# Altium PCB STM32F207VC.PcbDoc (part 4 of 16) (continued)
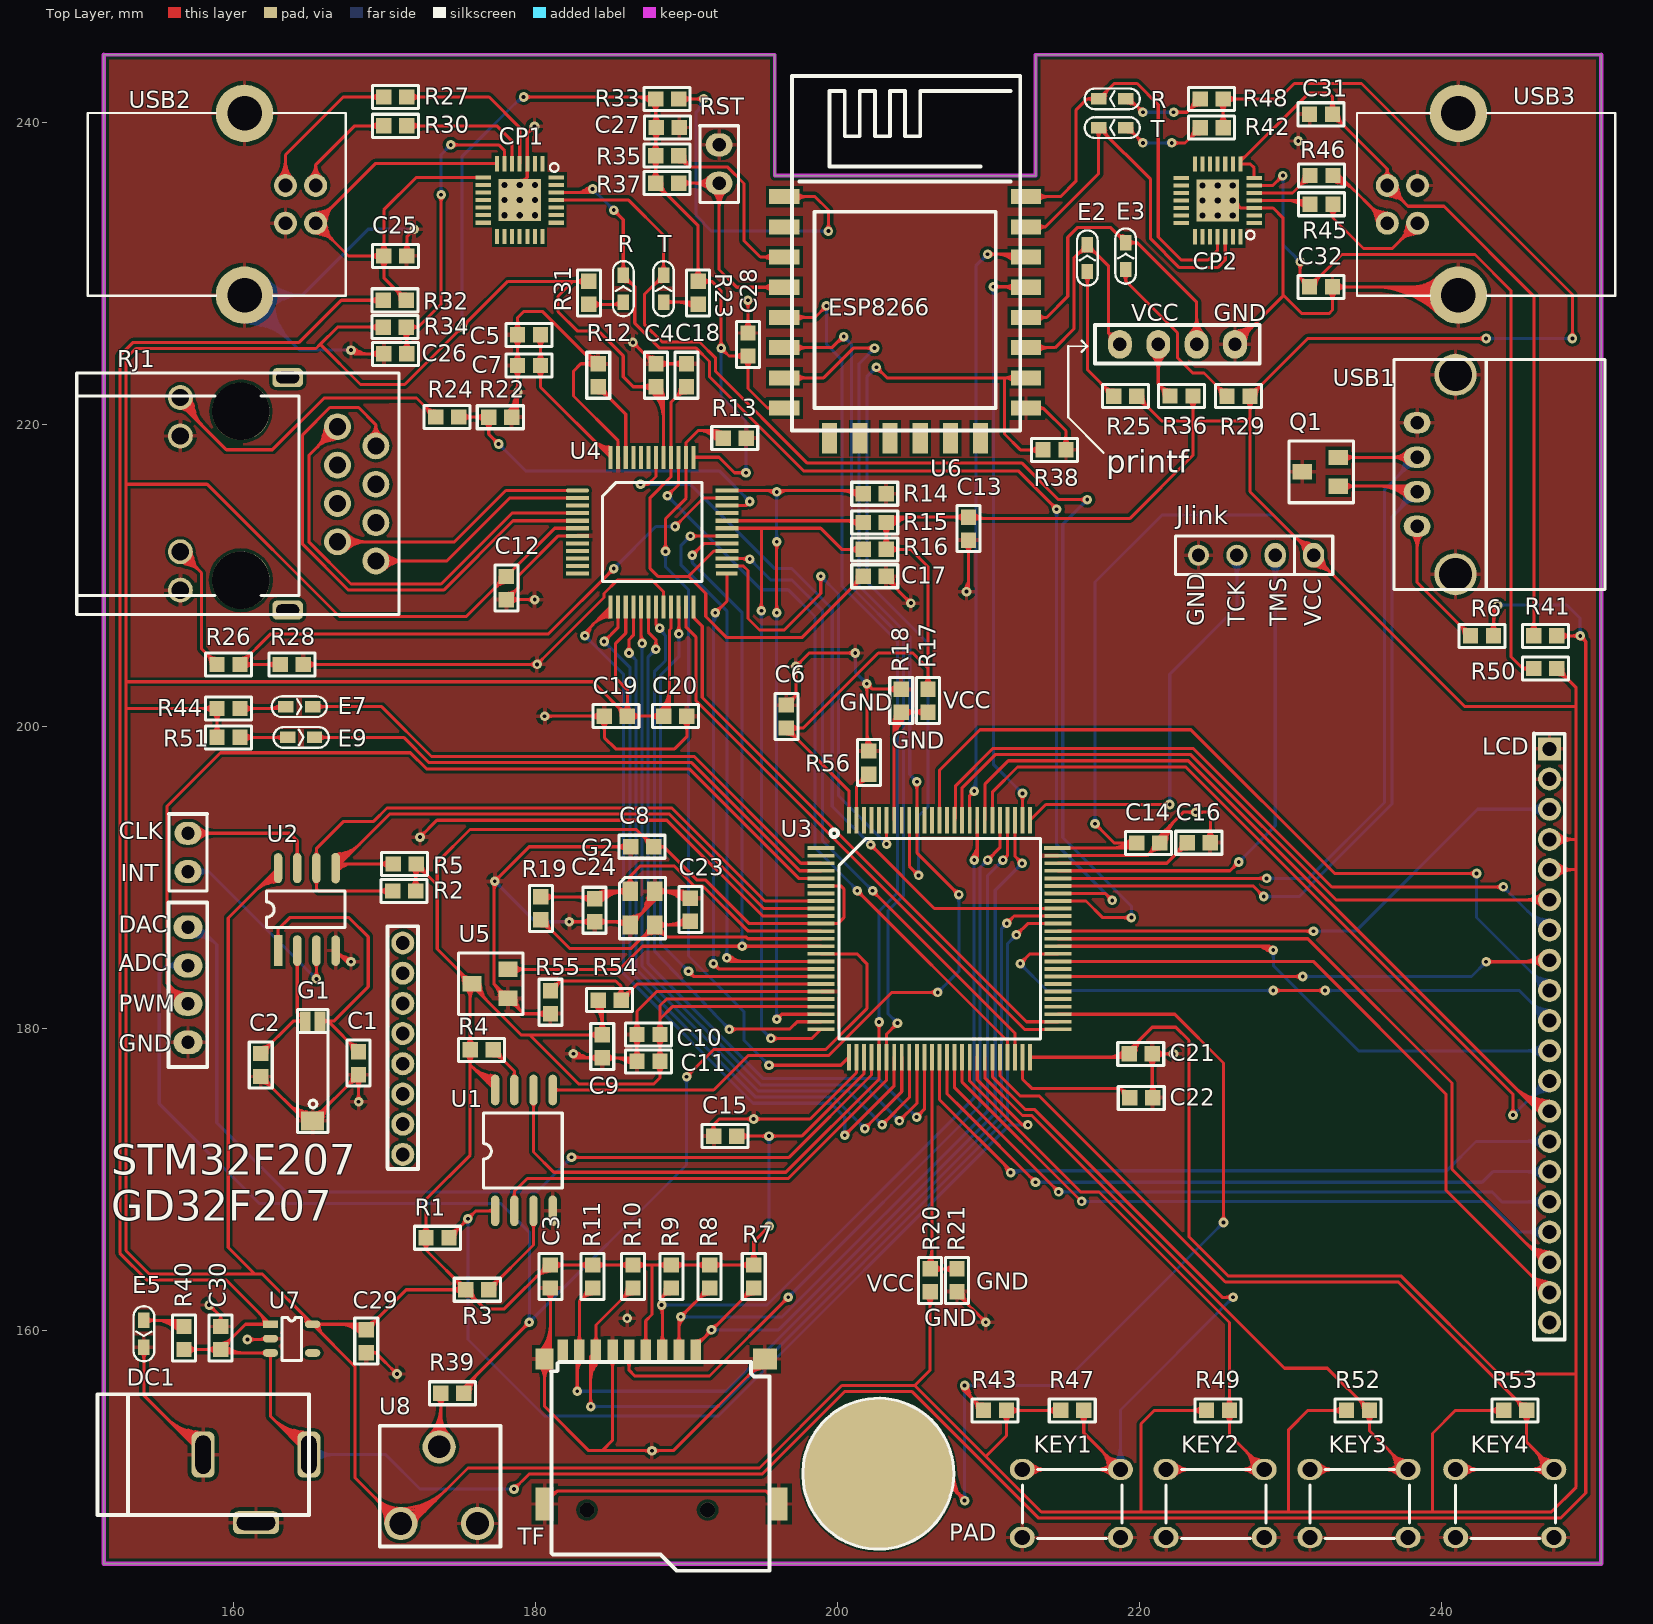
[diagram p0: Top Layer view]
## Nets (pads, with @x,y where several pads share a name; then routed paths per layer and width w, separated by ;. In a path a pad name is that pad's centre, name@x,y a point inside that pad or via, vN(x,y) a via of type N, cw(c..) or ccw(c..) an arc to the next point about the centre after c; other vN are vias at no path point) (continued)
v1@167.708,184.612 ; 167.484,184.669 cw(c167.304,184.489) v1@167.555,184.443 ; 167.484,184.669 ccw(c167.645,184.83) v1@167.708,184.612 ; 167.484,184.669 cw(c167.304,184.489) v1@167.555,184.443 ; 167.484,184.669 ccw(c167.645,184.83) v1@167.708,184.612 ; 167.484,184.669 cw(c167.304,184.489) v1@167.555,184.443 ; 167.575,176.235 cw(c168.269,175.541) C1.2@168.269,176.522 ; 167.575,176.235 ccw(c166.882,176.928) C1.2@167.863,176.928 ; 167.575,176.235 cw(c168.269,175.541) C1.2@168.269,176.522 ; 167.575,176.235 ccw(c166.882,176.928) C1.2@167.863,176.928 ; 167.575,176.235 ccw(c166.882,176.928) C1.2@167.863,176.928 ; 167.575,176.235 cw(c168.269,175.541) C1.2@168.269,176.522 ; 167.575,176.235 ccw(c166.882,176.928) C1.2@167.863,176.928 ; 167.575,176.235 cw(c168.269,175.541) C1.2@168.269,176.522 ; 167.725,176.416 cw(c168.412,176.233) C1.2@168.269,176.928 ; 167.725,176.416 cw(c168.412,176.233) C1.2@168.269,176.928 ; 167.725,176.416 cw(c168.412,176.233) C1.2@168.269,176.928 ; 167.725,176.416 cw(c168.412,176.233) C1.2@168.269,176.928 ; 167.725,176.416 cw(c168.412,176.233) C1.2@168.269,176.928 ; 167.725,176.416 cw(c168.412,176.233) C1.2@168.269,176.928 ; 167.757,176.385 ccw(c167.573,177.071) C1.2@168.269,176.928 ; 167.757,176.385 ccw(c167.573,177.071) C1.2@168.269,176.928 ; 167.757,176.385 ccw(c167.573,177.071) C1.2@168.269,176.928 ; 167.757,176.385 ccw(c167.573,177.071) C1.2@168.269,176.928 ; 167.757,176.385 ccw(c167.573,177.071) C1.2@168.269,176.928 ; 167.757,176.385 ccw(c167.573,177.071) C1.2@168.269,176.928 ; v1@167.775,224.907 cw(c167.986,224.625) 168.162,224.93 ; v1@167.775,224.907 cw(c167.986,224.625) 168.162,224.93 ; v1@167.775,224.907 cw(c167.986,224.625) 168.162,224.93 ; v1@167.775,224.907 cw(c167.986,224.625) 168.162,224.93 ; v1@167.775,224.907 cw(c167.986,224.625) 168.162,224.93 ; v1@167.775,224.907 cw(c167.986,224.625) 168.162,224.93 ; v1@167.776,224.926 ccw(c168.397,225.547) 168.397,224.669 ; v1@167.776,224.926 ccw(c168.397,225.547) 168.397,224.669 ; v1@167.776,224.926 ccw(c168.397,225.547) 168.397,224.669 ; v1@167.776,224.926 ccw(c168.397,225.547) 168.397,224.669 ; v1@167.835,224.712 cw(c167.89,224.544) 168.015,224.669 ; v1@167.835,224.712 cw(c167.89,224.544) 168.015,224.669 ; v1@167.835,224.712 cw(c167.89,224.544) 168.015,224.669 ; v1@167.835,224.712 cw(c167.89,224.544) 168.015,224.669 ; v1@167.854,224.719 cw(c167.992,224.405) 168.163,224.702 ; v1@167.854,224.719 cw(c167.992,224.405) 168.163,224.702 ; v1@167.854,224.719 cw(c167.992,224.405) 168.163,224.702 ; v1@167.854,224.719 cw(c167.992,224.405) 168.163,224.702 ; v1@167.854,224.719 cw(c167.992,224.405) 168.163,224.702 ; v1@167.854,224.719 cw(c167.992,224.405) 168.163,224.702 ; v1@167.896,224.744 cw(c168.187,224.356) 168.429,224.776 ; v1@167.896,224.744 cw(c168.187,224.356) 168.429,224.776 ; v1@167.896,224.744 cw(c168.187,224.356) 168.429,224.776 ; v1@167.896,224.744 cw(c168.187,224.356) 168.429,224.776 ; v1@167.896,224.744 cw(c168.187,224.356) 168.429,224.776 ; v1@167.896,224.744 cw(c168.187,224.356) 168.429,224.776 ; v1@167.92,225.07 ccw(c168.887,226.037) 168.887,224.669 ; v1@167.92,225.07 ccw(c168.887,226.037) 168.887,224.669 ; v1@167.92,225.07 ccw(c168.887,226.037) 168.887,224.669 ; v1@167.92,225.07 ccw(c168.887,226.037) 168.887,224.669 ; v1@167.972,224.849 ccw(c168.14,224.794) 168.015,224.669 ; v1@167.972,224.849 ccw(c168.14,224.794) 168.015,224.669 ; v1@167.972,224.849 ccw(c168.14,224.794) 168.015,224.669 ; v1@167.972,224.849 ccw(c168.14,224.794) 168.015,224.669 ; v1@167.979,224.959 ccw(c168.355,225.035) 168.163,224.702 ; v1@167.979,224.959 ccw(c168.355,225.035) 168.163,224.702 ; v1@167.979,224.959 ccw(c168.355,225.035) 168.163,224.702 ; v1@167.979,224.959 ccw(c168.355,225.035) 168.163,224.702 ; v1@167.979,224.959 ccw(c168.355,225.035) 168.163,224.702 ; v1@167.979,224.959 ccw(c168.355,225.035) 168.163,224.702 ; C1.2@167.982,176.641 cw(c167.288,175.947) 168.269,175.947 ; C1.2@167.982,176.641 cw(c167.288,175.947) 168.269,175.947 ; C1.2@167.982,176.641 cw(c167.288,175.947) 168.269,175.947 ; C1.2@167.982,176.641 cw(c167.288,175.947) 168.269,175.947 ; v1@168.122,175.286 ccw(c167.768,175.64) 168.269,175.64 ; v1@168.122,175.286 ccw(c167.768,175.64) 168.269,175.64 ; v1@168.122,175.286 ccw(c167.768,175.64) 168.269,175.64 ; v1@168.122,175.286 ccw(c167.768,175.64) 168.269,175.64 ; 168.269,175.669 ccw(c168.811,175.669) v1@168.428,175.286 ; 168.269,175.669 ccw(c168.811,175.669) v1@168.428,175.286 ; 168.269,175.669 ccw(c168.811,175.669) v1@168.428,175.286 ; 168.269,175.669 ccw(c168.811,175.669) v1@168.428,175.286 ; 168.269,175.947 cw(c169.25,175.947) C1.2@168.556,176.641 ; 168.269,175.947 cw(c169.25,175.947) C1.2@168.556,176.641 ; 168.269,175.947 cw(c169.25,175.947) C1.2@168.556,176.641 ; 168.269,175.947 cw(c169.25,175.947) C1.2@168.556,176.641 ; 168.962,224.669 cw(c168.962,223.688) C26.2@169.656,224.382 ; 168.962,224.669 ccw(c168.962,225.65) C26.2@169.656,224.956 ; 168.962,224.669 cw(c168.962,223.688) C26.2@169.656,224.382 ; 168.962,224.669 ccw(c168.962,225.65) C26.2@169.656,224.956 ; 168.962,224.669 ccw(c168.962,225.65) C26.2@169.656,224.956 ; 168.962,224.669 cw(c168.962,223.688) C26.2@169.656,224.382 ; 168.962,224.669 ccw(c168.962,225.65) C26.2@169.656,224.956 ; 168.962,224.669 cw(c168.962,223.688) C26.2@169.656,224.382 ; C29.2@169.149,158.349 cw(c169.401,158.238) 169.401,158.513 ; C29.2@169.149,158.349 cw(c169.401,158.238) 169.401,158.513 ; C29.2@169.149,158.349 cw(c169.401,158.238) 169.401,158.513 ; C29.2@169.149,158.349 cw(c169.401,158.238) 169.401,158.513 ; C29.2@169.149,158.677 ccw(c169.401,158.789) 169.401,158.513 ; C29.2@169.149,158.677 ccw(c169.401,158.789) 169.401,158.513 ; C29.2@169.149,158.677 ccw(c169.401,158.789) 169.401,158.513 ; C29.2@169.149,158.677 ccw(c169.401,158.789) 169.401,158.513 ; 170.446,157.468 cw(c170.078,157.099) v1@170.599,157.099 ; 170.446,157.468 ccw(c170.815,157.836) v1@170.815,157.315 ; 170.446,157.468 cw(c170.078,157.099) v1@170.599,157.099 ; 170.446,157.468 ccw(c170.815,157.836) v1@170.815,157.315 ; 170.446,157.468 ccw(c170.815,157.836) v1@170.815,157.315 ; 170.446,157.468 cw(c170.078,157.099) v1@170.599,157.099 ; 170.446,157.468 ccw(c170.815,157.836) v1@170.815,157.315 ; 170.446,157.468 cw(c170.078,157.099) v1@170.599,157.099 ; 170.521,157.391 ccw(c170.895,157.491) v1@170.818,157.111 ; 170.521,157.391 ccw(c170.895,157.491) v1@170.818,157.111 ; 170.521,157.391 ccw(c170.895,157.491) v1@170.818,157.111 ; 170.521,157.391 ccw(c170.895,157.491) v1@170.818,157.111 ; 170.521,157.391 ccw(c170.895,157.491) v1@170.818,157.111 ; 170.521,157.391 ccw(c170.895,157.491) v1@170.818,157.111 ; 170.523,157.393 cw(c170.423,157.019) v1@170.803,157.096 ; 170.523,157.393 cw(c170.423,157.019) v1@170.803,157.096 ; 170.523,157.393 cw(c170.423,157.019) v1@170.803,157.096 ; 170.523,157.393 cw(c170.423,157.019) v1@170.803,157.096 ; 170.523,157.393 cw(c170.423,157.019) v1@170.803,157.096 ; 170.523,157.393 cw(c170.423,157.019) v1@170.803,157.096 ; C25.1@171.18,231.433 ccw(c170.486,232.127) 171.467,232.127 ; C25.1@171.18,231.433 ccw(c170.486,232.127) 171.467,232.127 ; C25.1@171.18,231.433 ccw(c170.486,232.127) 171.467,232.127 ; C25.1@171.18,231.433 ccw(c170.486,232.127) 171.467,232.127 ; 171.467,232.127 ccw(c172.449,232.127) C25.1@171.755,231.433 ; 171.467,232.127 ccw(c172.449,232.127) C25.1@171.755,231.433 ; 171.467,232.127 ccw(c172.449,232.127) C25.1@171.755,231.433 ; 171.467,232.127 ccw(c172.449,232.127) C25.1@171.755,231.433 ; 171.589,232.549 cw(c171.958,232.181) v1@171.958,232.702 ; 171.589,232.549 ccw(c171.221,232.918) v1@171.742,232.918 ; 171.589,232.549 cw(c171.958,232.181) v1@171.958,232.702 ; 171.589,232.549 ccw(c171.221,232.918) v1@171.742,232.918 ; 171.589,232.549 ccw(c171.221,232.918) v1@171.742,232.918 ; 171.589,232.549 cw(c171.958,232.181) v1@171.958,232.702 ; 171.589,232.549 ccw(c171.221,232.918) v1@171.742,232.918 ; 171.589,232.549 cw(c171.958,232.181) v1@171.958,232.702 ; 171.664,232.626 cw(c172.038,232.526) v1@171.961,232.906 ; 171.664,232.626 cw(c172.038,232.526) v1@171.961,232.906 ; 171.664,232.626 cw(c172.038,232.526) v1@171.961,232.906 ; 171.664,232.626 cw(c172.038,232.526) v1@171.961,232.906 ; 171.664,232.626 cw(c172.038,232.526) v1@171.961,232.906 ; 171.664,232.626 cw(c172.038,232.526) v1@171.961,232.906 ; 171.666,232.624 ccw(c171.566,232.998) v1@171.946,232.921 ; 171.666,232.624 ccw(c171.566,232.998) v1@171.946,232.921 ; 171.666,232.624 ccw(c171.566,232.998) v1@171.946,232.921 ; 171.666,232.624 ccw(c171.566,232.998) v1@171.946,232.921 ; 171.666,232.624 ccw(c171.566,232.998) v1@171.946,232.921 ; 171.666,232.624 ccw(c171.566,232.998) v1@171.946,232.921 ; v1@172.336,192.671 ccw(c172.259,193.051) 172.633,192.951 ; v1@172.336,192.671 ccw(c172.259,193.051) 172.633,192.951 ; v1@172.336,192.671 ccw(c172.259,193.051) 172.633,192.951 ; v1@172.336,192.671 ccw(c172.259,193.051) 172.633,192.951 ; v1@172.336,192.671 ccw(c172.259,193.051) 172.633,192.951 ; v1@172.336,192.671 ccw(c172.259,193.051) 172.633,192.951 ; v1@172.339,192.875 ccw(c172.339,193.396) 172.708,193.028 ; v1@172.339,192.875 ccw(c172.339,193.396) 172.708,193.028 ; v1@172.339,192.875 ccw(c172.339,193.396) 172.708,193.028 ; v1@172.339,192.875 ccw(c172.339,193.396) 172.708,193.028 ; v1@172.351,192.656 cw(c172.731,192.579) 172.631,192.953 ; v1@172.351,192.656 cw(c172.731,192.579) 172.631,192.953 ; v1@172.351,192.656 cw(c172.731,192.579) 172.631,192.953 ; v1@172.351,192.656 cw(c172.731,192.579) 172.631,192.953 ; v1@172.351,192.656 cw(c172.731,192.579) 172.631,192.953 ; v1@172.351,192.656 cw(c172.731,192.579) 172.631,192.953 ; v1@172.555,192.659 cw(c173.076,192.659) 172.708,193.028 ; v1@172.555,192.659 cw(c173.076,192.659) 172.708,193.028 ; v1@172.555,192.659 cw(c173.076,192.659) 172.708,193.028 ; v1@172.555,192.659 cw(c173.076,192.659) 172.708,193.028 ; v1@177.139,189.585 cw(c176.925,189.371) 177.228,189.371 ; v1@177.139,189.585 cw(c176.925,189.371) 177.228,189.371 ; v1@177.139,189.585 cw(c176.925,189.371) 177.228,189.371 ; v1@177.139,189.585 cw(c176.925,189.371) 177.228,189.371 ; 177.228,189.062 cw(c177.968,189.062) v1@177.445,189.585 ; 177.228,189.062 cw(c177.968,189.062) v1@177.445,189.585 ; 177.228,189.062 cw(c177.968,189.062) v1@177.445,189.585 ; 177.228,189.062 cw(c177.968,189.062) v1@177.445,189.585 ; 177.257,182.907 cw(c176.347,181.996) U5.1@177.634,181.996 ; 177.257,182.907 cw(c176.347,181.996) U5.1@177.634,181.996 ; 177.257,182.907 cw(c176.347,181.996) U5.1@177.634,181.996 ; 177.257,182.907 cw(c176.347,181.996) U5.1@177.634,181.996 ; v1@177.289,189.75 ccw(c177.212,190.13) 177.586,190.03 ; v1@177.289,189.75 ccw(c177.212,190.13) 177.586,190.03 ; v1@177.289,189.75 ccw(c177.212,190.13) 177.586,190.03 ; v1@177.289,189.75 ccw(c177.212,190.13) 177.586,190.03 ; v1@177.289,189.75 ccw(c177.212,190.13) 177.586,190.03 ; v1@177.289,189.75 ccw(c177.212,190.13) 177.586,190.03 ; v1@177.292,189.954 ccw(c177.292,190.475) 177.661,190.107 ; v1@177.292,189.954 ccw(c177.292,190.475) 177.661,190.107 ; v1@177.292,189.954 ccw(c177.292,190.475) 177.661,190.107 ; v1@177.292,189.954 ccw(c177.292,190.475) 177.661,190.107 ; v1@177.304,189.735 cw(c177.684,189.658) 177.584,190.032 ; v1@177.304,189.735 cw(c177.684,189.658) 177.584,190.032 ; v1@177.304,189.735 cw(c177.684,189.658) 177.584,190.032 ; v1@177.304,189.735 cw(c177.684,189.658) 177.584,190.032 ; v1@177.304,189.735 cw(c177.684,189.658) 177.584,190.032 ; v1@177.304,189.735 cw(c177.684,189.658) 177.584,190.032 ; 177.477,182.583 ccw(c178.292,182.802) U5.1@178.041,181.996 ; 177.477,182.583 ccw(c178.292,182.802) U5.1@178.041,181.996 ; 177.477,182.583 ccw(c178.292,182.802) U5.1@178.041,181.996 ; 177.477,182.583 ccw(c178.292,182.802) U5.1@178.041,181.996 ; 177.477,182.583 ccw(c178.292,182.802) U5.1@178.041,181.996 ; 177.477,182.583 ccw(c178.292,182.802) U5.1@178.041,181.996 ; v1@177.508,189.738 cw(c178.029,189.738) 177.661,190.107 ; v1@177.508,189.738 cw(c178.029,189.738) 177.661,190.107 ; v1@177.508,189.738 cw(c178.029,189.738) 177.661,190.107 ; v1@177.508,189.738 cw(c178.029,189.738) 177.661,190.107 ; 177.564,182.6 ccw(c178.041,183.077) U5.1@178.041,182.402 ; 177.564,182.6 ccw(c178.041,183.077) U5.1@178.041,182.402 ; 177.564,182.6 ccw(c178.041,183.077) U5.1@178.041,182.402 ; 177.564,182.6 ccw(c178.041,183.077) U5.1@178.041,182.402 ; U5.1@177.573,182.227 ccw(c178.162,182.385) U5.1@177.98,181.802 ; U5.1@177.573,182.227 ccw(c178.162,182.385) U5.1@177.98,181.802 ; U5.1@177.573,182.227 ccw(c178.162,182.385) U5.1@177.98,181.802 ; U5.1@177.573,182.227 ccw(c178.162,182.385) U5.1@177.98,181.802 ; U5.1@177.573,182.227 ccw(c178.162,182.385) U5.1@177.98,181.802 ; U5.1@177.573,182.227 ccw(c178.162,182.385) U5.1@177.98,181.802 ; 177.604,182.56 cw(c177.04,181.996) U5.1@177.838,181.996 ; 177.604,182.56 cw(c177.04,181.996) U5.1@177.838,181.996 ; 177.604,182.56 cw(c177.04,181.996) U5.1@177.838,181.996 ; 177.604,182.56 cw(c177.04,181.996) U5.1@177.838,181.996 ; C12.1@178.06,208.39 cw(c178.756,208.247) 178.572,208.933 ; C12.1@178.06,208.39 ccw(c177.917,209.085) 178.604,208.902 ; C12.1@178.06,208.39 ccw(c177.917,209.085) 178.604,208.902 ; C12.1@178.06,208.39 cw(c178.756,208.247) 178.572,208.933 ; C12.1@178.06,208.39 ccw(c177.917,209.085) 178.604,208.902 ; C12.1@178.06,208.39 cw(c178.756,208.247) 178.572,208.933 ; C12.1@178.06,208.39 cw(c178.756,208.247) 178.572,208.933 ; C12.1@178.06,208.39 ccw(c177.917,209.085) 178.604,208.902 ; C12.1@178.06,208.39 cw(c178.756,208.247) 178.572,208.933 ; C12.1@178.06,208.39 ccw(c177.917,209.085) 178.604,208.902 ; C12.1@178.06,208.39 ccw(c177.917,209.085) 178.604,208.902 ; C12.1@178.06,208.39 cw(c178.756,208.247) 178.572,208.933 ; C12.1@178.06,208.796 ccw(c178.06,209.777) 178.754,209.083 ; C12.1@178.06,208.796 ccw(c178.06,209.777) 178.754,209.083 ; C12.1@178.06,208.796 ccw(c178.06,209.777) 178.754,209.083 ; C12.1@178.06,208.796 ccw(c178.06,209.777) 178.754,209.083 ; R22.2@178.13,220.753 ccw(c176.517,222.367) v1@178.799,222.367 ; R22.2@178.13,220.753 ccw(c176.517,222.367) v1@178.799,222.367 ; R22.2@178.13,220.753 ccw(c176.517,222.367) v1@178.799,222.367 ; R22.2@178.13,220.753 ccw(c176.517,222.367) v1@178.799,222.367 ; R22.2@178.274,220.61 ccw(c177.007,221.876) v1@178.799,221.876 ; R22.2@178.274,220.61 ccw(c177.007,221.876) v1@178.799,221.876 ; R22.2@178.274,220.61 ccw(c177.007,221.876) v1@178.799,221.876 ; R22.2@178.274,220.61 ccw(c177.007,221.876) v1@178.799,221.876 ; U5.1@178.295,181.59 cw(c178.295,180.915) 178.772,181.392 ; U5.1@178.295,181.59 cw(c178.295,180.915) 178.772,181.392 ; U5.1@178.295,181.59 cw(c178.295,180.915) 178.772,181.392 ; U5.1@178.295,181.59 cw(c178.295,180.915) 178.772,181.392 ; U5.1@178.295,181.996 cw(c178.043,181.19) 178.859,181.409 ; U5.1@178.295,181.996 cw(c178.043,181.19) 178.859,181.409 ; U5.1@178.295,181.996 cw(c178.043,181.19) 178.859,181.409 ; U5.1@178.295,181.996 cw(c178.043,181.19) 178.859,181.409 ; U5.1@178.295,181.996 cw(c178.043,181.19) 178.859,181.409 ; U5.1@178.295,181.996 cw(c178.043,181.19) 178.859,181.409 ; 178.309,221.023 ccw(c178.646,220.799) R22.2@178.418,220.466 ; 178.309,221.023 ccw(c178.646,220.799) R22.2@178.418,220.466 ; 178.309,221.023 ccw(c178.646,220.799) R22.2@178.418,220.466 ; 178.309,221.023 ccw(c178.646,220.799) R22.2@178.418,220.466 ; 178.309,221.023 ccw(c178.646,220.799) R22.2@178.418,220.466 ; 178.309,221.023 ccw(c178.646,220.799) R22.2@178.418,220.466 ; R22.2@178.312,220.859 ccw(c178.232,221.159) 178.501,221.004 ; R22.2@178.312,220.859 ccw(c178.232,221.159) 178.501,221.004 ; R22.2@178.312,220.859 ccw(c178.232,221.159) 178.501,221.004 ; R22.2@178.312,220.859 ccw(c178.232,221.159) 178.501,221.004 ; R22.2@178.312,220.859 ccw(c178.232,221.159) 178.501,221.004 ; R22.2@178.312,220.859 ccw(c178.232,221.159) 178.501,221.004 ; C12.1@178.347,208.102 cw(c179.041,207.408) 179.041,208.39 ; C12.1@178.347,208.102 cw(c179.041,207.408) 179.041,208.39 ; C12.1@178.347,208.102 cw(c179.041,207.408) 179.041,208.39 ; C12.1@178.347,208.102 cw(c179.041,207.408) 179.041,208.39 ; C12.1@178.347,208.677 ccw(c179.041,209.371) 179.041,208.39 ; C12.1@178.347,208.677 ccw(c179.041,209.371) 179.041,208.39 ; C12.1@178.347,208.677 ccw(c179.041,209.371) 179.041,208.39 ; C12.1@178.347,208.677 ccw(c179.041,209.371) 179.041,208.39 ; U5.1@178.355,182.19 cw(c178.173,181.607) U5.1@178.763,181.765 ; U5.1@178.355,182.19 cw(c178.173,181.607) U5.1@178.763,181.765 ; U5.1@178.355,182.19 cw(c178.173,181.607) U5.1@178.763,181.765 ; U5.1@178.355,182.19 cw(c178.173,181.607) U5.1@178.763,181.765 ; U5.1@178.355,182.19 cw(c178.173,181.607) U5.1@178.763,181.765 ; U5.1@178.355,182.19 cw(c178.173,181.607) U5.1@178.763,181.765 ; R22.2@178.418,220.466 ccw(c177.498,221.386) 178.799,221.386 ; R22.2@178.418,220.466 ccw(c177.498,221.386) 178.799,221.386 ; R22.2@178.418,220.466 ccw(c177.498,221.386) 178.799,221.386 ; R22.2@178.418,220.466 ccw(c177.498,221.386) 178.799,221.386 ; 178.423,221.195 ccw(c178.762,220.97) R22.2@178.532,220.634 ; 178.423,221.195 ccw(c178.762,220.97) R22.2@178.532,220.634 ; 178.423,221.195 ccw(c178.762,220.97) R22.2@178.532,220.634 ; 178.423,221.195 ccw(c178.762,220.97) R22.2@178.532,220.634 ; 178.423,221.195 ccw(c178.762,220.97) R22.2@178.532,220.634 ; 178.423,221.195 ccw(c178.762,220.97) R22.2@178.532,220.634 ; R22.2@178.433,220.872 ccw(c178.447,221.226) 178.754,221.049 ; R22.2@178.433,220.872 ccw(c178.447,221.226) 178.754,221.049 ; R22.2@178.433,220.872 ccw(c178.447,221.226) 178.754,221.049 ; R22.2@178.433,220.872 ccw(c178.447,221.226) 178.754,221.049 ; R22.2@178.433,220.872 ccw(c178.447,221.226) 178.754,221.049 ; R22.2@178.433,220.872 ccw(c178.447,221.226) 178.754,221.049 ; C12.1@178.466,208.39 cw(c179.447,208.39) 178.754,209.083 ; C12.1@178.466,208.39 cw(c179.447,208.39) 178.754,209.083 ; C12.1@178.466,208.39 cw(c179.447,208.39) 178.754,209.083 ; C12.1@178.466,208.39 cw(c179.447,208.39) 178.754,209.083 ; U5.1@178.498,181.996 ccw(c179.295,181.996) 178.731,181.432 ; U5.1@178.498,181.996 ccw(c179.295,181.996) 178.731,181.432 ; U5.1@178.498,181.996 ccw(c179.295,181.996) 178.731,181.432 ; U5.1@178.498,181.996 ccw(c179.295,181.996) 178.731,181.432 ; C7.1@178.511,223.608 cw(c177.817,222.914) 178.799,222.914 ; C7.1@178.511,223.608 cw(c177.817,222.914) 178.799,222.914 ; C7.1@178.511,223.608 cw(c177.817,222.914) 178.799,222.914 ; C7.1@178.511,223.608 cw(c177.817,222.914) 178.799,222.914 ; C7.1@178.511,224.182 ccw(c177.817,224.876) 178.799,224.876 ; C7.1@178.511,224.182 ccw(c177.817,224.876) 178.799,224.876 ; C7.1@178.511,224.182 ccw(c177.817,224.876) 178.799,224.876 ; C7.1@178.511,224.182 ccw(c177.817,224.876) 178.799,224.876 ; C5.1@178.511,225.64 cw(c177.817,224.946) 178.799,224.946 ; C5.1@178.511,225.64 cw(c177.817,224.946) 178.799,224.946 ; C5.1@178.511,225.64 cw(c177.817,224.946) 178.799,224.946 ; C5.1@178.511,225.64 cw(c177.817,224.946) 178.799,224.946 ; C5.1@178.511,226.214 ccw(c177.817,226.908) 178.799,226.908 ; C5.1@178.511,226.214 ccw(c177.817,226.908) 178.799,226.908 ; C5.1@178.511,226.214 ccw(c177.817,226.908) 178.799,226.908 ; C5.1@178.511,226.214 ccw(c177.817,226.908) 178.799,226.908 ; 178.535,221.062 ccw(c178.889,220.857) R22.2@178.574,220.596 ; 178.535,221.062 ccw(c178.889,220.857) R22.2@178.574,220.596 ; 178.535,221.062 ccw(c178.889,220.857) R22.2@178.574,220.596 ; 178.535,221.062 ccw(c178.889,220.857) R22.2@178.574,220.596 ; 178.535,221.062 ccw(c178.889,220.857) R22.2@178.574,220.596 ; 178.535,221.062 ccw(c178.889,220.857) R22.2@178.574,220.596 ; 178.537,221.366 ccw(c178.878,221.14) R22.2@178.647,220.801 ; 178.537,221.366 ccw(c178.878,221.14) R22.2@178.647,220.801 ; 178.537,221.366 ccw(c178.878,221.14) R22.2@178.647,220.801 ; 178.537,221.366 ccw(c178.878,221.14) R22.2@178.647,220.801 ; 178.537,221.366 ccw(c178.878,221.14) R22.2@178.647,220.801 ; 178.537,221.366 ccw(c178.878,221.14) R22.2@178.647,220.801 ; R22.2@178.561,220.322 ccw(c177.988,220.895) R22.2@178.799,220.895 ; R22.2@178.561,220.322 ccw(c177.988,220.895) R22.2@178.799,220.895 ; R22.2@178.561,220.322 ccw(c177.988,220.895) R22.2@178.799,220.895 ; R22.2@178.561,220.322 ccw(c177.988,220.895) R22.2@178.799,220.895 ; 178.565,221.489 cw(c179.276,221.299) v1@178.907,221.936 ; 178.565,221.489 cw(c179.276,221.299) v1@178.907,221.936 ; 178.565,221.489 cw(c179.276,221.299) v1@178.907,221.936 ; 178.565,221.489 cw(c179.276,221.299) v1@178.907,221.936 ; 178.565,221.489 cw(c179.276,221.299) v1@178.907,221.936 ; 178.565,221.489 cw(c179.276,221.299) v1@178.907,221.936 ; 178.565,221.489 cw(c179.276,221.299) v1@178.907,221.936 ; 178.565,221.489 cw(c179.276,221.299) v1@178.907,221.936 ; 178.565,221.489 cw(c179.276,221.299) v1@178.907,221.936 ; 178.565,221.489 cw(c179.276,221.299) v1@178.907,221.936 ; v1@178.612,222.015 cw(c178.346,221.861) 178.643,221.782 ; v1@178.612,222.015 cw(c178.346,221.861) 178.643,221.782 ; v1@178.612,222.015 cw(c178.346,221.861) 178.643,221.782 ; v1@178.612,222.015 cw(c178.346,221.861) 178.643,221.782 ; v1@178.612,222.015 cw(c178.346,221.861) 178.643,221.782 ; v1@178.612,222.015 cw(c178.346,221.861) 178.643,221.782 ; v1@178.612,222.015 cw(c178.346,221.861) 178.643,221.782 ; v1@178.612,222.015 cw(c178.346,221.861) 178.643,221.782 ; v1@178.612,222.015 cw(c178.346,221.861) 178.643,221.782 ; v1@178.612,222.015 cw(c178.346,221.861) 178.643,221.782 ; v1@178.62,222.002 cw(c178.055,221.621) 178.724,221.491 ; v1@178.62,222.002 cw(c178.055,221.621) 178.724,221.491 ; v1@178.62,222.002 cw(c178.055,221.621) 178.724,221.491 ; v1@178.62,222.002 cw(c178.055,221.621) 178.724,221.491 ; v1@178.62,222.002 cw(c178.055,221.621) 178.724,221.491 ; v1@178.62,222.002 cw(c178.055,221.621) 178.724,221.491 ; v1@178.62,222.002 cw(c178.055,221.621) 178.724,221.491 ; v1@178.62,222.002 cw(c178.055,221.621) 178.724,221.491 ; v1@178.62,222.002 cw(c178.055,221.621) 178.724,221.491 ; v1@178.62,222.002 cw(c178.055,221.621) 178.724,221.491 ; 178.638,221.667 ccw(c178.482,221.823) v1@178.642,221.974 ; 178.638,221.667 ccw(c178.482,221.823) v1@178.642,221.974 ; 178.638,221.667 ccw(c178.482,221.823) v1@178.642,221.974 ; 178.638,221.667 ccw(c178.482,221.823) v1@178.642,221.974 ; 178.638,221.667 ccw(c178.482,221.823) v1@178.642,221.974 ; 178.638,221.667 ccw(c178.482,221.823) v1@178.642,221.974 ; 178.638,221.667 ccw(c178.482,221.823) v1@178.642,221.974 ; 178.638,221.667 ccw(c178.482,221.823) v1@178.642,221.974 ; 178.638,221.667 ccw(c178.482,221.823) v1@178.642,221.974 ; 178.638,221.667 ccw(c178.482,221.823) v1@178.642,221.974 ; v1@178.646,221.97 cw(c178.277,221.602) 178.799,221.602 ; v1@178.646,221.97 cw(c178.277,221.602) 178.799,221.602 ; v1@178.646,221.97 cw(c178.277,221.602) 178.799,221.602 ; v1@178.646,221.97 cw(c178.277,221.602) 178.799,221.602 ; v1@178.646,222.276 ccw(c178.277,222.644) 178.799,222.644 ; v1@178.646,222.276 ccw(c178.277,222.644) 178.799,222.644 ; v1@178.646,222.276 ccw(c178.277,222.644) 178.799,222.644 ; v1@178.646,222.276 ccw(c178.277,222.644) 178.799,222.644 ; 178.681,221.315 ccw(c179.129,221.056) R22.2@178.731,220.725 ; 178.681,221.315 ccw(c179.129,221.056) R22.2@178.731,220.725 ; 178.681,221.315 ccw(c179.129,221.056) R22.2@178.731,220.725 ; 178.681,221.315 ccw(c179.129,221.056) R22.2@178.731,220.725 ; 178.681,221.315 ccw(c179.129,221.056) R22.2@178.731,220.725 ; 178.681,221.315 ccw(c179.129,221.056) R22.2@178.731,220.725 ; U5.1@178.701,181.996 ccw(c179.989,181.996) 179.078,181.085 ; U5.1@178.701,181.996 ccw(c179.989,181.996) 179.078,181.085 ; U5.1@178.701,181.996 ccw(c179.989,181.996) 179.078,181.085 ; U5.1@178.701,181.996 ccw(c179.989,181.996) 179.078,181.085 ; 178.754,221.049 ccw(c179.061,220.872) R22.2@178.761,220.683 ; 178.754,221.049 ccw(c179.061,220.872) R22.2@178.761,220.683 ; 178.754,221.049 ccw(c179.061,220.872) R22.2@178.761,220.683 ; 178.754,221.049 ccw(c179.061,220.872) R22.2@178.761,220.683 ; 178.754,221.049 ccw(c179.061,220.872) R22.2@178.761,220.683 ; 178.754,221.049 ccw(c179.061,220.872) R22.2@178.761,220.683 ; CP1.3@178.763,235.911 cw(c179.144,235.778) CP1.3@179.041,236.169 ; CP1.3@178.763,235.911 cw(c179.144,235.778) CP1.3@179.041,236.169 ; CP1.3@178.763,235.911 cw(c179.144,235.778) CP1.3@179.041,236.169 ; CP1.3@178.763,235.911 cw(c179.144,235.778) CP1.3@179.041,236.169 ; CP1.3@178.763,235.911 cw(c179.144,235.778) CP1.3@179.041,236.169 ; CP1.3@178.763,235.911 cw(c179.144,235.778) CP1.3@179.041,236.169 ; CP1.3@178.763,235.911 cw(c179.144,235.778) CP1.3@179.041,236.169 ; CP1.3@178.763,235.911 cw(c179.144,235.778) CP1.3@179.041,236.169 ; CP1.3@178.763,235.911 cw(c179.144,235.778) CP1.3@179.041,236.169 ; CP1.3@178.763,235.911 cw(c179.144,235.778) CP1.3@179.041,236.169 ; 178.767,221.713 cw(c179.122,221.645) v1@178.92,221.944 ; 178.767,221.713 cw(c179.122,221.645) v1@178.92,221.944 ; 178.767,221.713 cw(c179.122,221.645) v1@178.92,221.944 ; 178.767,221.713 cw(c179.122,221.645) v1@178.92,221.944 ; 178.767,221.713 cw(c179.122,221.645) v1@178.92,221.944 ; 178.767,221.713 cw(c179.122,221.645) v1@178.92,221.944 ; 178.767,221.713 cw(c179.122,221.645) v1@178.92,221.944 ; 178.767,221.713 cw(c179.122,221.645) v1@178.92,221.944 ; 178.767,221.713 cw(c179.122,221.645) v1@178.92,221.944 ; 178.767,221.713 cw(c179.122,221.645) v1@178.92,221.944 ; 178.799,221.602 cw(c179.32,221.602) v1@178.951,221.97 ; 178.799,221.602 cw(c179.32,221.602) v1@178.951,221.97 ; 178.799,221.602 cw(c179.32,221.602) v1@178.951,221.97 ; 178.799,221.602 cw(c179.32,221.602) v1@178.951,221.97 ; 178.799,222.644 ccw(c179.32,222.644) v1@178.951,222.276 ; 178.799,222.644 ccw(c179.32,222.644) v1@178.951,222.276 ; 178.799,222.644 ccw(c179.32,222.644) v1@178.951,222.276 ; 178.799,222.644 ccw(c179.32,222.644) v1@178.951,222.276 ; 178.799,222.914 cw(c179.78,222.914) C7.1@179.086,223.608 ; 178.799,222.914 cw(c179.78,222.914) C7.1@179.086,223.608 ; 178.799,222.914 cw(c179.78,222.914) C7.1@179.086,223.608 ; 178.799,222.914 cw(c179.78,222.914) C7.1@179.086,223.608 ; 178.799,224.876 ccw(c179.78,224.876) C7.1@179.086,224.182 ; 178.799,224.876 ccw(c179.78,224.876) C7.1@179.086,224.182 ; 178.799,224.876 ccw(c179.78,224.876) C7.1@179.086,224.182 ; 178.799,224.876 ccw(c179.78,224.876) C7.1@179.086,224.182 ; 178.799,224.946 cw(c179.78,224.946) C5.1@179.086,225.64 ; 178.799,224.946 cw(c179.78,224.946) C5.1@179.086,225.64 ; 178.799,224.946 cw(c179.78,224.946) C5.1@179.086,225.64 ; 178.799,224.946 cw(c179.78,224.946) C5.1@179.086,225.64 ; 178.799,226.908 ccw(c179.78,226.908) C5.1@179.086,226.214 ; 178.799,226.908 ccw(c179.78,226.908) C5.1@179.086,226.214 ; 178.799,226.908 ccw(c179.78,226.908) C5.1@179.086,226.214 ; 178.799,226.908 ccw(c179.78,226.908) C5.1@179.086,226.214 ; CP1.3@178.94,235.861 ccw(c178.863,236.241) CP1.3@179.237,236.14 ; CP1.3@178.94,235.861 ccw(c178.863,236.241) CP1.3@179.237,236.14 ; CP1.3@178.94,235.861 ccw(c178.863,236.241) CP1.3@179.237,236.14 ; CP1.3@178.94,235.861 ccw(c178.863,236.241) CP1.3@179.237,236.14 ; CP1.3@178.94,235.861 ccw(c178.863,236.241) CP1.3@179.237,236.14 ; CP1.3@178.94,235.861 ccw(c178.863,236.241) CP1.3@179.237,236.14 ; CP1.3@178.943,236.064 ccw(c178.943,236.586) CP1.3@179.312,236.217 ; CP1.3@178.943,236.064 ccw(c178.943,236.586) CP1.3@179.312,236.217 ; CP1.3@178.943,236.064 ccw(c178.943,236.586) CP1.3@179.312,236.217 ; CP1.3@178.943,236.064 ccw(c178.943,236.586) CP1.3@179.312,236.217 ; CP1.3@178.947,236.144 ccw(c178.949,236.842) 179.443,236.348 ; CP1.3@178.947,236.144 ccw(c178.949,236.842) 179.443,236.348 ; CP1.3@178.947,236.144 ccw(c178.949,236.842) 179.443,236.348 ; CP1.3@178.947,236.144 ccw(c178.949,236.842) 179.443,236.348 ; CP1.3@178.955,235.846 cw(c179.335,235.768) CP1.3@179.235,236.142 ; CP1.3@178.955,235.846 cw(c179.335,235.768) CP1.3@179.235,236.142 ; CP1.3@178.955,235.846 cw(c179.335,235.768) CP1.3@179.235,236.142 ; CP1.3@178.955,235.846 cw(c179.335,235.768) CP1.3@179.235,236.142 ; CP1.3@178.955,235.846 cw(c179.335,235.768) CP1.3@179.235,236.142 ; CP1.3@178.955,235.846 cw(c179.335,235.768) CP1.3@179.235,236.142 ; CP1.3@179.159,235.848 cw(c179.68,235.848) CP1.3@179.312,236.217 ; CP1.3@179.159,235.848 cw(c179.68,235.848) CP1.3@179.312,236.217 ; CP1.3@179.159,235.848 cw(c179.68,235.848) CP1.3@179.312,236.217 ; CP1.3@179.159,235.848 cw(c179.68,235.848) CP1.3@179.312,236.217 ; 179.42,208.39 cw(c179.42,207.868) v1@179.789,208.237